# Altium PCB ESP8266控制器.PcbDoc
Units mil, origin at the board's own origin, x right, y up, seen from the top; angles counter-clockwise.
Board outline 2165.35 x 1418 mil, 2 copper layers (Top Layer, Bottom Layer); 38 components, 40 nets, 126 pads, 47 vias.
Unrouted connection lines stored in the file: 18.
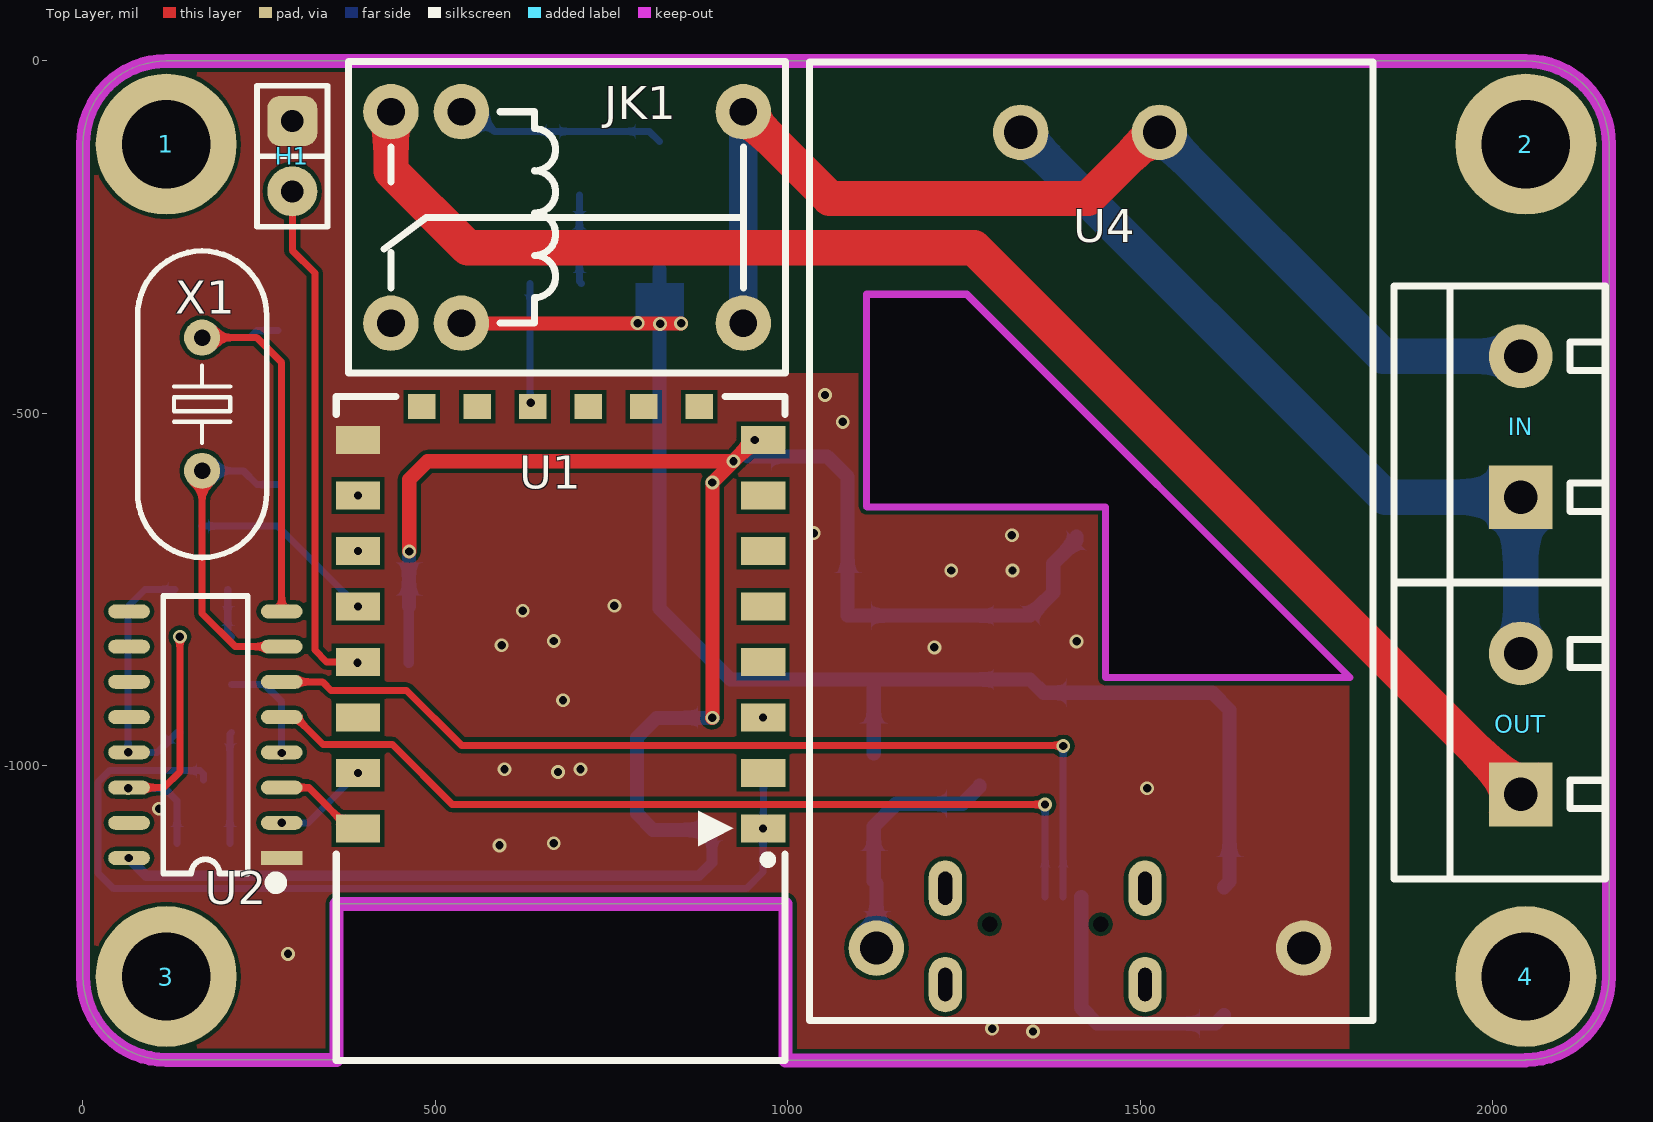
[diagram p0: Top Layer view]
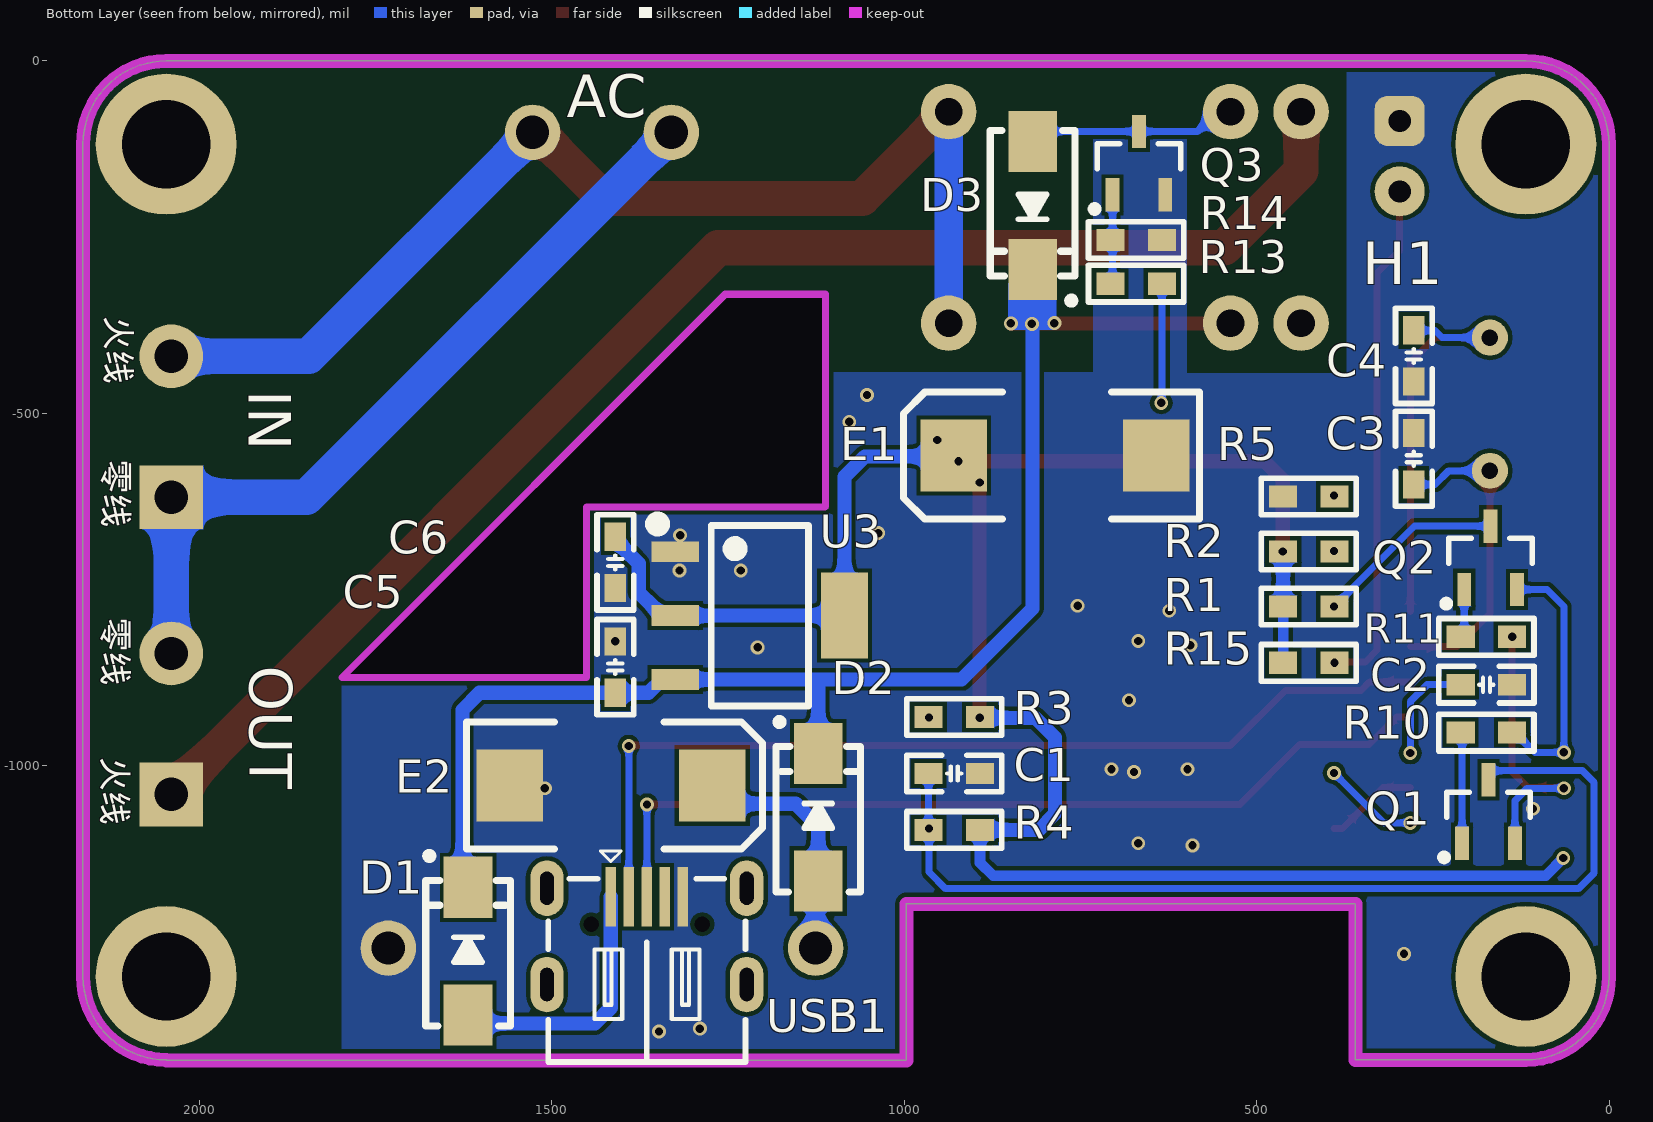
[diagram p1: Bottom Layer view, seen from below]

## Layer stack, top to bottom
Top Solder: solder mask 0.4, Solder Resist, Dk 3.5
Top Layer: signal copper 1.4
Dielectric 1: dielectric 12.6, FR-4, Dk 4.8
Bottom Layer: signal copper 1.4
Bottom Solder: solder mask 0.4, Solder Resist, Dk 3.5

## Board outline
118.11,-1417.32 cw(c118.11,-1299.21) 0,-1299.21 0,-118.11 cw(c118.11,-118.11) 118.11,0 2047.24,0 cw(c2047.24,-118.11) 2165.35,-118.11 2165.35,-1299.21 cw(c2047.24,-1299.21) 2047.24,-1417.32 2046.57,-1418 997,-1418 997,-1196 360,-1196 360,-1417 359.68,-1417.32
cut-out: 1111.49,-331.01 1254,-331 1798,-875 1451,-875 1451,-633 1112.51,-633

## Design rules (kind name [scope] priority, off if disabled: settings)
Clearance [All] p1: gap=6 ignorepadtopadclearanceinfootprint=FALSE
ComponentClearance [All] p1: gap=0 collisioncheckmode=3 verticalgap=0 showdistances=FALSE
HoleSize [All] p1: absolutevalues=TRUE maxlimit=3937.01 minlimit=11.81 maxpercent=80.000 minpercent=20.000
MinimumSolderMaskSliver [All] p1: minsoldermaskwidth=0
PolygonConnect [All] p1: connectstyle=Direct reliefconductorwidth=10 reliefentries=4 polygonreliefangle="90 Angle" airgapwidth=10
RoutingVias [All] p1: holewidth=11.81 width=19.68 viastyle="Through Hole" minholewidth=11.81 minwidth=19.68 maxholewidth=3937.01 maxwidth=7874.02
SilkToSilkClearance [All] p1: silktosilkclearance=0
SilkToSolderMaskClearance [IsPad] p1: minsilkscreentomaskgap=0 clearancetoexposedcopper=TRUE
SolderMaskExpansion [All] p1: expansion=4
Width [All] p1: maxlimit=100 minlimit=8 preferedwidth=15
25 further rules are at their usual default settings.

## Components (designator, comment, footprint, x,y, rotation, side; value= is the part's Value field where it differs from the comment)
1 "M3" "M3 125X200" 118.11,-118.11 r0 top
2 "M3" "M3 125X200" 2047.24,-118.11 r90 top
3 "M3" "M3 125X200" 118.11,-1299.21 r90 top
4 "M3" "M3 125X200" 2047.24,-1299.21 r90 top
C1 "100nF" "C 0603_M" 929,-1011 r0 bottom
C2 "104" "C 0603_M" 174,-885 r180 bottom
C3 "22p" "C 0603_M" 277,-564.5 r90 bottom
C4 "22p" "C 0603_M" 277,-418.5 r270 bottom
C5 "10uF" "C 0603_M" 1410,-860 r90 bottom
C6 "10uF" "C 0603_M" 1410,-711.5 r270 bottom
D1 "SS14" SMA 1619,-1263 r90 bottom
D2 "SS14" SMA 1122,-1073 r90 bottom
D3 "SS14" SMA 818,-205 r270 bottom
E1 "100uF" "CD D(7343)" 786,-560 r180 bottom
E2 "220uF" "CD D(7343)" 1416,-1028 r0 bottom
H1 "PAD2" PAD2-2.54 297,-85 r270 top
IN "HDR-1X2" KF301-5.0-2P 2040,-419 r90 top
JK1 "HK4100F-DC5V-SHG" HK4100F 687,-222 r0 top
OUT "HDR-1X2" KF301-5.0-2P 2040,-840.63 r90 top
Q1 "S8050" SOT23-3N 171,-1065 r180 bottom
Q2 "S8050" SOT23-3N 168,-705 r180 bottom
Q3 "S8050" SOT23-3N 667,-145 r180 bottom
R1 "12K" "R 0603_M" 426,-774 r180 bottom
R2 "12K" "R 0603_M" 426,-696 r180 bottom
R3 "12K" "R 0603_M" 929,-931 r0 bottom
R4 "12K" "R 0603_M" 929,-1091 r0 bottom
R5 "12K" "R 0603_M" 426,-618 r180 bottom
R10 "12k" "R 0603_M" 174,-953 r0 bottom
R11 "12k" "R 0603_M" 174,-817 r0 bottom
R13 "3k" "R 0603_M" 671,-316 r180 bottom
R14 "3k" "R 0603_M" 671,-254 r0 bottom
R15 "10k" "R 0603_M" 426,-854 r0 bottom
U1 "ESP_12_E" ESP_12_E_L 992.56,-1089 r180 top locked
U2 "CH340G" SOP16_L 173.65,-956 r180 top locked
U3 "AMS1117-3V3" SOT223_L 1205,-787 r270 bottom
U4 "HLK-PM01" HLK-PM01 1429,-680 r270 top locked
USB1 "USB-5P" USB-MICRO_D 1365.26,-1310.43 r180 bottom
X1 "12MHz" "OSC HC-49S" 169,-487 r90 top

## Footprints (in the part's own frame and the unit in brackets; to place one, negate y for a bottom-side part, rotate by r counter-clockwise, add the part's x,y. Pads: shape width x height; smd on the part's side, far side on the other; paste and mask are expansions set on the pad)
"C 0603_M" [mil] "无极性贴片电容"
  rect 40x30 smd: 1(-36.5,0) 2(36.5,0)
  silkscreen extent -68,-26 68,26, body extent -31,-16 31,16, height 32
"CD D(7343)" [mm] "长7.3mm，宽4.3mm，厚2.8mm"
  rect 2.4x2.6 smd: 1(-3.65,0) 2(3.65,0)
  silkscreen extent -5.46,-2.29 5.21,2.29, body extent -3.65,-2.15 3.65,2.15, height 2.8
ESP_12_E_L [mm]
  rect 1.6x1 smd: 1(0.7,0) 2(0.7,-2) 3(0.7,-4) 4(0.7,-6) 5(0.7,-8) 6(0.7,-10) 7(0.7,-12) 8(0.7,-14) 15(15.3,-14) 16(15.3,-12) 17(15.3,-10) 18(15.3,-8) 19(15.3,-6) 20(15.3,-4) 21(15.3,-2) 22(15.3,0)
  rect 1x0.9 smd: 9(3,-15.2) 10(5,-15.2) 11(7,-15.2) 12(9,-15.2) 13(11,-15.2) 14(13,-15.2)
  silkscreen extent -0.08,-15.57 16.08,8.37, body extent 0,-15.49 16,8.51, height 2.75
HK4100F [mm] "单刀双投"
  round 2 hole 1: 1(-3.81,3.81) 2(-3.81,-3.81) 3(6.35,-3.81) 3(6.35,3.81) 4(-6.35,3.81) 5(-6.35,-3.81)
  silkscreen extent -7.87,-5.61 7.87,5.61, body extent -7.75,-5.5 7.75,5.5, height 12.2
HLK-PM01 [mm] "220V转5V模块"
  round 2 hole 1.2: 1(-14.7,2.5) 2(-14.7,-2.5) 3(14.7,7.7) 4(14.7,-7.7)
  silkscreen extent -17.24,-10.12 17.3,10.2, body extent -16.98,-10.07 17.02,10.13, height 15.1
KF301-5.0-2P [mm] "可拼接端子/6A"
  rect 2.3x2.3 hole 1.2: 1(-5.08,0)
  round 2.3 hole 1.2: 2(0,0)
  silkscreen extent -8.13,-3.05 2.54,4.57, body extent -7.95,-3 2.55,4.6, height 10.05
"M3 125X200" [mil] "M3螺丝孔，孔125Mil，焊盘200Mil"
  round 200 hole 125: 1(0,0)
"OSC HC-49S" [mm]
  round 1.3 hole 0.6: 1(-2.4,0) 2(2.4,0)
  silkscreen extent -5.52,-2.32 5.52,2.33, body extent -5.52,-2.32 5.53,2.33, height 4.13
PAD2-2.54 [mm] "引线焊盘"
  rrect50% 1.8x1.8 hole 0.8: 1(0,0)
  round 1.8 hole 0.8: 2(2.54,0)
  silkscreen extent -1.27,-1.27 3.81,1.27
"R 0603_M" [mil] "1/10W贴片电阻"
  rect 40x31.5 smd: 1(-36.5,0) 2(36.5,0)
  silkscreen extent -68,-26 68,26, body extent -31,-16 31,16, height 16
SMA [mm] "4.5x2.6*2.2mm（长宽高，不包括引脚）"
  rect 2.2x1.75 smd: 1(-2.3,0) 2(2.3,0)
  silkscreen extent -2.7,-1.52 3.56,1.52, body extent -2.52,-1.3 2.57,1.3, height 2.15
SOP16_L [mm] "10.3*6.2*1.8mm（长宽高）"
  rect 1.5x0.5 smd: 1(-2.752,4.445)
  oval 1.5x0.5 smd: 2(-2.752,3.175) 3(-2.752,1.905) 4(-2.752,0.635) 5(-2.752,-0.635) 6(-2.752,-1.905) 7(-2.752,-3.175) 8(-2.752,-4.445) 9(2.752,-4.445) 10(2.752,-3.175) 11(2.752,-1.905) 12(2.752,-0.635) 13(2.752,0.635) 14(2.752,1.905) 15(2.752,3.175) 16(2.752,4.445)
  silkscreen extent -2.69,-5 1.52,5.49, body extent -3,-5 3,5, height 1.9
SOT23-3N [mm] "3x1.3x1mm(长宽高)"
  rect 0.5x1.2 smd: 1(-0.95,-1.143) 2(0.95,-1.143) 3(0,1.143)
  silkscreen extent -1.73,-1.78 1.5,0.7, body extent -1.5,-1.2 1.5,1.2, height 1.05
SOT223_L [mm] "6.4x7x1.6mm(长宽高)"
  rect 0.75x1.7 smd: 1(-2.3,-3.048) 2(0,-3.048) 3(2.3,-3.048)
  rect 3.1x1.7 smd: 2(0,3.048)
  silkscreen extent -3.5,-3.88 3.25,1.75, body extent -3.25,-3.51 3.25,3.51, height 1.65
USB-MICRO_D [mm] "micro型USB ，6.7*7.5*2.5mm"
  oval 1.2x2 hole 0.5 slot 1.2 at 90 deg: 0(-3.6,0) 0(-3.6,3.47) 0(3.6,0) 0(3.6,3.47)
  round 0 hole 0.55 unplated: 0(-2,2.17) 0(2,2.17)
  rect 0.381x2.15 smd: 1(-1.3,3.16) 2(-0.65,3.16) 3(0,3.16) 4(0.65,3.16) 5(1.3,3.16)
  silkscreen extent -3.56,-2.79 3.56,4.81, body extent -3.99,-2.75 3.99,3.95, height 2.79

## Part data
1 2 3 4: "铜柱孔"
C1 C2 C3 C4 C5 C6: library part C, "无极性贴片电容"
D1 D2 D3: "肖特基二极管"
E1 E2: library part C-CD, "贴片钽电容"
H1: "引线焊盘"
IN OUT: library part "Header 2 5.0", "2P接插件"
JK1: library part HK4100F, "一组转换"
Q1 Q2 Q3: library part 8050-SMD, "高频放大-NPN型"
R1 R2 R3 R4 R5 R10 R11 R13 R14 R15: library part R, "贴片电阻"
U1: "ESP-12 Wi-Fi Module by AI-Thinker", IC=ESP8266-EX, Vendor=Ai-thinker
U2: "串口转USB"
U3: library part AMS1117, "三端稳压芯片"
U4: library part Component_1, "220V转5V模块"
USB1: "微型USB母座"
X1: library part XTAL-2P, "2脚无源脚晶振"

## Via types
v1: diameter 19.68, hole 11.81, Top Layer to Bottom Layer, 47 vias

## Nets (pads, with @x,y where several pads share a name; then routed paths per layer and width w, separated by ;. In a path a pad name is that pad's centre, name@x,y a point inside that pad or via, vN(x,y) a via of type N, cw(c..) or ccw(c..) an arc to the next point about the centre after c; other vN are vias at no path point)
AC1: IN.1 OUT.2 U4.2 | length 1145.5
  Bottom Layer w50: U4.2 1848.32,-619 IN.1 OUT.2
AC2: IN.2 JK1.3 U4.1 | length 1624.3
  Top Layer w50: JK1.3@937,-72.26 1059.74,-195 1425.91,-195 1519.65,-101.26 U4.1
  Bottom Layer w40: JK1.3@937,-372 JK1.3@937,-72
  Bottom Layer w50: U4.1 1845.17,-419 IN.2
ADC: U1.2
CH340_D+: U2.5 USB1.3 | length 1265.5
  Top Layer w10: U2.5 301.69,-931 340.69,-970 439,-970 524,-1055 v1(1365,-1055)
  Bottom Layer w10: v1(1365,-1055) 1365.13,-1055.13 1365.13,-1185.89 USB1.3
CH340_D-: U2.6 USB1.2 | length 1360.4
  Top Layer w10: U2.6 340.15,-881 352.15,-893 459,-893 537,-971 v1@1391,-971
  Bottom Layer w10: USB1.2 1390.85,-972.15 v1(1391,-972)
DTR: Q2.2 R10.1 U2.13 | length 368.6
  Bottom Layer w10: Q2.2 88,-750 64,-774 v1(64,-981) 105.25,-981 133.25,-953 R10.1
EN: R3.2 U1.3
  other v1: 965,-931.52
GND: C1.1 C2.2 C3.2 C4.2 C5.2 C6.2 E1.2 E2.2 H1.1 Q3.2 R5.1 R14.1 U1.15 U2.1 U3.1 U4.3 USB1.5
  other v1: 1348,-1377 1290,-1373 291,-1267 591,-1113 668,-1110 108,-1061 1510,-1032 674,-1009 598,-1005 706,-1005 681,-907 1208,-832 594,-829 668,-823 1410,-823.5 624,-780 754,-773 1232,-723 1319,-723 1318,-673 1037,-670 1078,-512 1053,-474
GPIO0: Q2.3 R1.2 U1.18 | length 269.4
  Bottom Layer w10: Q2.3 276.16,-660 v1(390.2,-774.04)
GPIO2: R2.2 U1.17
  other v1: 390.2,-695.3
GPIO4: H1.2 R15.1 U1.19 | length 732.4
  Top Layer w10: H1.2 297,-269 329,-301 329,-836 345.78,-852.78 U1.19
  other v1: 389.5,-854
GPIO5: U1.20
GPIO9: U1.11
GPIO10: R13.2 U1.12 | length 169.5
  Bottom Layer w10: R13.2 634.5,-484.23 v1(635.43,-485.16)
GPIO12: U1.6
GPIO13: U1.7
GPIO14: U1.5
GPIO15: R5.2 U1.16
  other v1: 390.2,-616.56
GPIO16: U1.4
NetC2_1: C2.1 U2.4 | length 154.4
  Bottom Layer w10: C2.1 258,-885 282,-909 v1(282,-982)
NetC3_1: C3.1 U2.7 X1.1 | length 451.1
  Top Layer w10: X1.1 169,-784 216,-831 U2.7
  Bottom Layer w10: X1.1 227.49,-581.49 247,-601 C3.1
NetC4_1: C4.1 U2.8 X1.2 | length 592.8
  Top Layer w10: X1.2 246.51,-392.51 282,-428 U2.8
  Bottom Layer w10: X1.2 237,-392.51 247,-382.51 C4.1@277,-382.51
NetD2_1: D2.1 E2.1 U4.4 | length 349.7
  Bottom Layer w20: U4.4 1125.85,-1167.4 D2.1 1122,-1086 1154,-1054 1248.06,-1054 1272.3,-1029.76 E2.1
NetD3_1: D3.1 JK1.1 Q3.3 | length 298.6
  Bottom Layer w10: JK1.1 555.6,-72 583.6,-100 Q3.3 803.55,-100 D3.1
NetJK1_4: JK1.4 OUT.1 | length 2053.2
  Top Layer w50: JK1.4@437,-72.26 437,-156 546,-265 1264.37,-265 OUT.1
NetQ1_1: Q1.1 R10.2 | length 157.9
  Bottom Layer w10: Q1.1 208.4,-955.1 R10.2
NetQ2_1: Q2.1 R11.2 | length 69.1
  Bottom Layer w10: Q2.1 205.4,-811.9 R11.2
NetQ3_1: Q3.1 R13.1 R14.2 | length 127.3
  Bottom Layer w10: Q3.1 704.4,-312.9 R13.1
nRST: C1.2 Q1.3 R4.2 U1.1 | length 1398.5
  Bottom Layer w10: Q1.3 171,-1011.84 166.16,-1007 38,-1007 21,-1024 21,-1152 43.5,-1174.5 941.5,-1174.5 965,-1151 v1(965,-1089) 965.5,-1088.5 C1.2
OTG_ID: USB1.4
RTS: Q1.2 R11.1 U2.14 | length 410.3
  Top Layer w10: U2.14 115,-1031 137.5,-1008.5 v1(137.5,-817)
  Bottom Layer w10: v1(64,-1032) 116,-1032 133.6,-1049.6 Q1.2
RXD0: U1.21 U2.2 | length 137.5
  Bottom Layer w10: v1(282,-1081) 319.46,-1081 v1(390.2,-1010.26)
SPI_CLK: U1.14
SPI_INT: U1.13
SPI_MISO: U1.10
SPI_MOSI: U1.9
TXD0: U1.22 U2.3 | length 132.2
  Top Layer w10: U2.3 320.39,-1031 378.39,-1089 U1.22
VDD3V3: C6.1 E1.1 R1.1 R2.1 R3.1 R4.1 R15.2 U1.8 U2.16 U3.2 | length 3146.8
  Top Layer w20: v1(463,-696) 463,-594 489.09,-567.91 v1(923.09,-567.91) ; v1@892.5,-932.5 v1(893,-932) v1(893,-598.01) v1(923.09,-567.91) ; U1.8 v1(953.19,-537.82) v1(923.09,-567.91)
  Bottom Layer w15: v1(65,-1131) 90,-1156 874,-1156 892.5,-1137.5 R4.1 ; R15.2 R1.1
  Bottom Layer w20: R1.1 R2.1 ; R4.1 809,-1091 786,-1068 786,-960 814,-932 R3.1@891.5,-932 ; R3.1 R3.1@891.5,-932 ; v1(893,-932) R3.1@891.5,-932 ; E1.1@944,-561 1056,-561 1085,-590 1085,-787 1325,-787 1343.7,-787 1376.75,-753.95 1376.75,-713.25 1410,-680 C6.1
VDD5V: C5.1 D1.2 D2.2 D3.2 JK1.2 U3.3 | length 2021.6
  Top Layer w20: JK1.2@537,-372.26 v1(848.74,-372.26)
  Bottom Layer w20: D3.2 818,-777 918.55,-877.55 1121.78,-877.55 ; D2.2 1122,-877.78 1121.78,-877.55 ; D1.2 1627,-1164.45 1627,-921 1602.5,-896.5 C5.1 1362.65,-896.5 1343.7,-877.55 U3.3 1121.78,-877.55
  other v1: 819,-373 787,-372
VDDUSB: D1.1 USB1.1 | length 374.3
  Bottom Layer w20: USB1.1 1416.44,-1343.44 1438.8,-1365.8 1606.75,-1365.8 D1.1
pads on no net: 1.1 2.1 3.1 4.1 JK1.5 U2.9 U2.10 U2.11 U2.12 U2.15 USB1.0

## Polygon pours and split planes (outlines as drawn)
GND on Bottom Layer "GND_L02_P001" (solid, remove dead copper, pour order 1): 0,-1417 0,0 372,0 372,-443 599,-443 599,-68 732,-68 732,-442 1112,-442 1111.49,-442.51 1111.49,-631.97 1449.97,-631.97 1451,-633 1451,-875 1798,-875 1798,-1419
GND on Top Layer "GND_L01_P000" (solid, remove dead copper, pour order 0): 0,-1417 0,0 372,0 372,-443 1112,-443 1112.51,-443.51 1112.51,-633 1451,-633 1451,-875 1798,-875 1797,-876 1797,-1418

## Keep-outs
Keep-Out Layer:
  lines w10: 1451,-633 1451,-875 1798,-875 1254,-331 1111.49,-331 1111.49,-631.97 1112.51,-633 1451,-633 ; 1451,-633 1451,-633
  lines w20: 359.68,-1417.32 118.11,-1417.32 cw(c118.11,-1299.21) 0,-1299.21 0,-118.11 cw(c118.11,-118.11) 118.11,0 2047.24,0 cw(c2047.24,-118.11) 2165.35,-118.11 2165.35,-1299.21 cw(c2047.24,-1299.21) 2047.24,-1417.32 ; 360,-1417 360,-1196 997,-1196 997,-1418 2046.57,-1418

## Other copper
Bottom Layer:
  rectangle net VDD5V: 784,-382 853,-315

## Silkscreen, mask and mechanical layers (free items; w line width, h text height)
Bottom Overlay:
  text "火线" at 2144,-362 h60 r90
  text "零线" at 2147,-566 h60 r90
  text "零线" at 2148,-790 h60 r90
  text "火线" at 2149,-988 h60 r90

## Dimensions
118.11,0 to 118.11,-1417.32 on Mechanical 1
0,-1299.21 to 2165.35,-1299.21 on Mechanical 1

## Text inside footprints (layer, text, board x,y; h text height)
U1: Mechanical 13 "CUTOUT POLYGON" at 933.56,-1377 h10 r180; Mechanical 13 "ANTENNA AREA" at 933.56,-1397 h10 r180
U4: Bottom Overlay "AC" at 1479,-80 h60